# Altium PCB Core.PcbDoc (part 2 of 5) (continued)
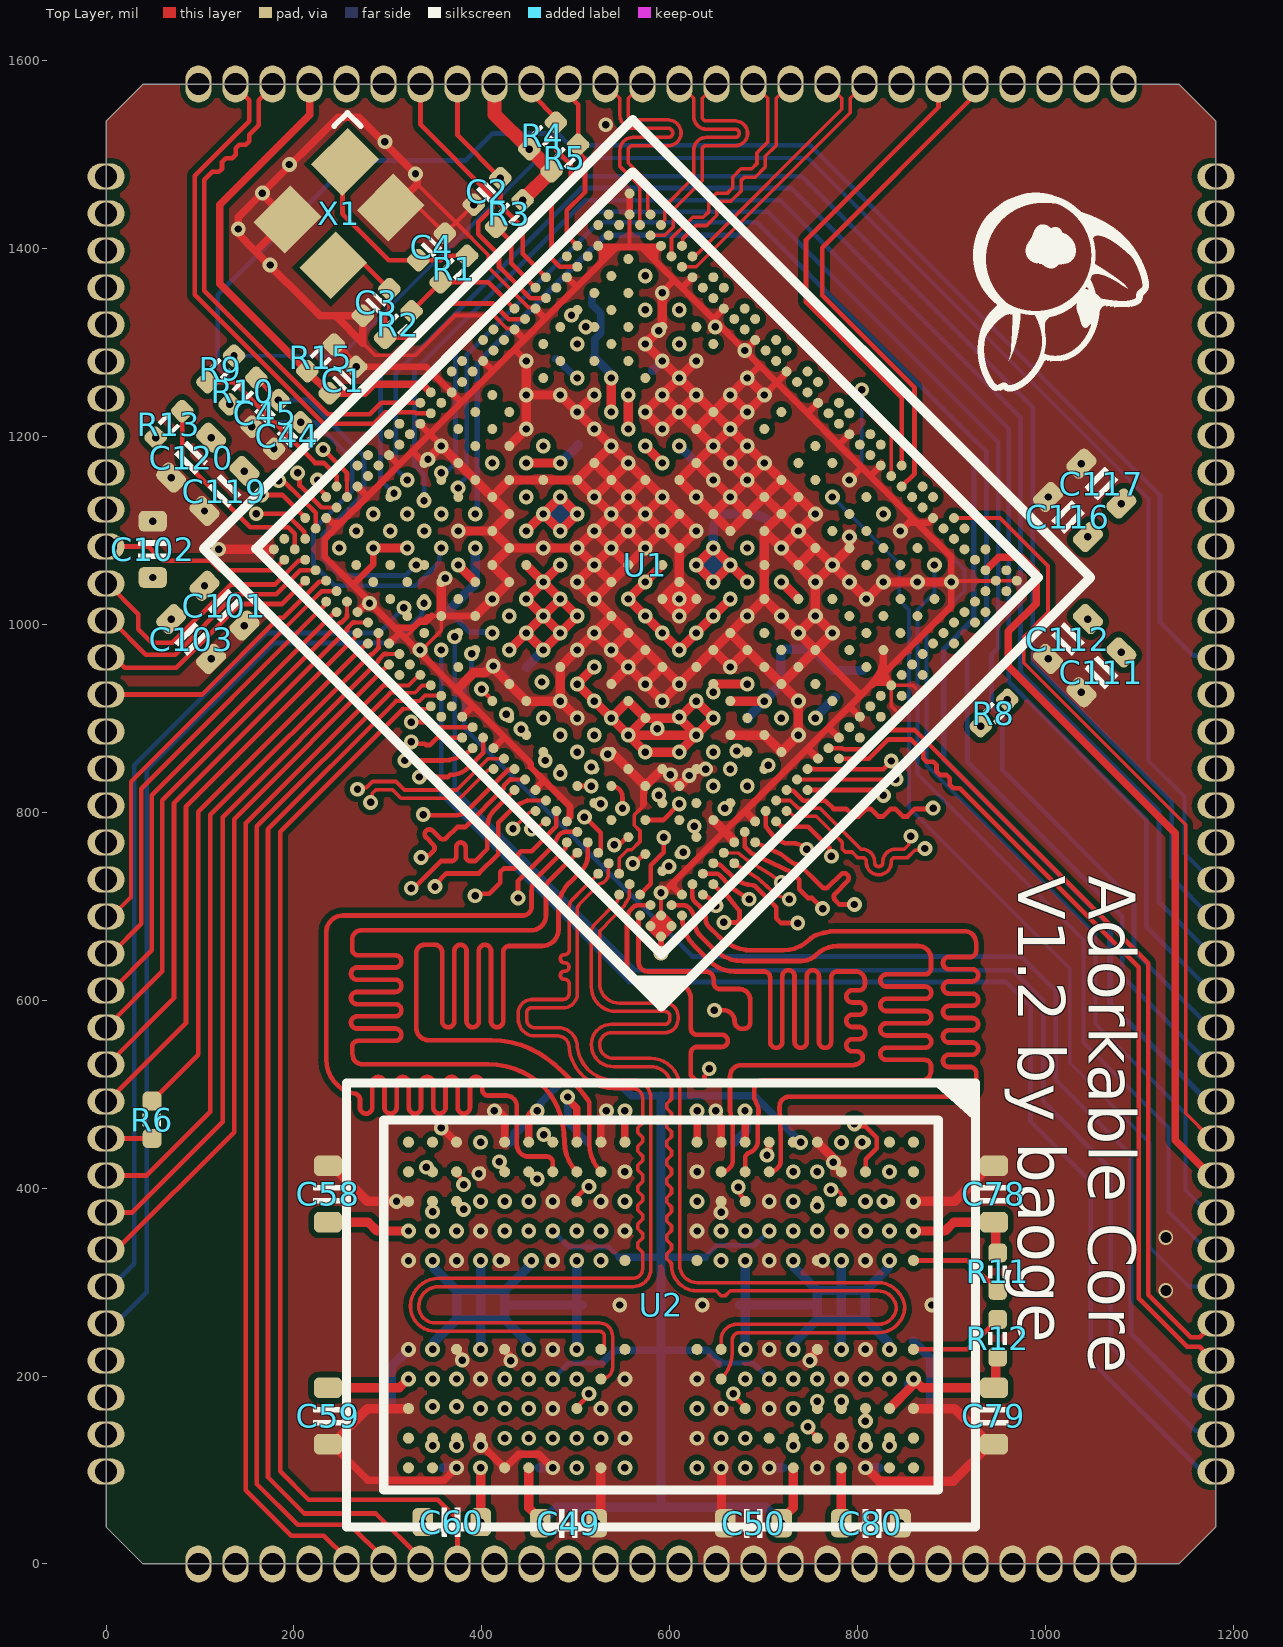
[diagram p0: Top Layer view]
## Nets (pads, with @x,y where several pads share a name; then routed paths per layer and width w, separated by ;. In a path a pad name is that pad's centre, name@x,y a point inside that pad or via, vN(x,y) a via of type N, cw(c..) or ccw(c..) an arc to the next point about the centre after c; other vN are vias at no path point) (continued)
  other v2: 1127.71,291.02 1127.71,347.37
HDMI_TX_CLK_N: pad.8 U1.AP32 | length 284
  Top Layer w3.8: U1.AP32@612.82,1380.35 627.98,1380.35 791.8,1544.18 791.8,1559.78 806.82,1574.8 pad.8@807.09,1574.8
HDMI_TX_CLK_P: pad.9 U1.AR32 | length 257.3
  Top Layer w3.8: U1.AR32@623.96,1391.49 625.81,1391.49 628.44,1394.12 629.3,1394.12 783,1547.82 783,1559.78 767.98,1574.8 pad.9@767.72,1574.8
HDMI_TX_D0_N: pad.10 U1.AR33 | length 240.1
  Top Layer w3.8: U1.AR33@612.82,1402.62 613.5,1403.3 613.5,1409.92 624.67,1421.09 627.83,1424.25 639.15,1424.25 649.96,1435.06 649.96,1446.38 653.6,1450.02 664.91,1450.02 675.73,1460.83 675.73,1472.15 679.37,1475.79 690.68,1475.79 701.5,1486.6 701.5,1497.92 713.06,1509.48 713.06,1520.62 713.06,1559.78 728.08,1574.8 pad.10@728.35,1574.8
HDMI_TX_D0_P: pad.11 U1.AP33 | length 252.2
  Top Layer w3.8: U1.AP33@601.69,1391.49 601.69,1410.55 618.44,1427.31 624.19,1433.05 635.5,1433.05 641.16,1438.71 641.16,1450.02 649.96,1458.82 661.27,1458.82 666.93,1464.48 666.93,1475.79 675.73,1484.59 687.04,1484.59 692.7,1490.25 692.7,1501.56 704.26,1513.13 704.26,1520.62 704.26,1559.78 689.24,1574.8 pad.11@688.98,1574.8
HDMI_TX_D1_N: pad.12 U1.AP35 | length 280.7
  Top Layer w3.8: U1.AP35@579.42,1413.76 594.57,1413.76 603.41,1422.6 603.41,1440.91 634.32,1471.82 634.32,1482.77 634.32,1504.8 cw(c638.72,1504.8) 638.72,1509.2 669.43,1509.2 ccw(c669.43,1522.4) 669.43,1535.6 638.72,1535.6 cw(c638.72,1540) 634.32,1540 634.32,1546.3 634.32,1559.78 649.34,1574.8 pad.12@649.61,1574.8
HDMI_TX_D1_P: pad.13 U1.AR35 | length 252.4
  Top Layer w3.8: U1.AR35@590.55,1424.89 590.55,1426.47 594.61,1430.53 594.61,1444.56 625.52,1475.47 625.52,1482.77 625.52,1504.8 cw(c638.72,1504.8) 638.72,1518 669.43,1518 ccw(c669.43,1522.4) 669.43,1526.8 638.72,1526.8 cw(c638.72,1540) 625.52,1540 625.52,1546.3 625.52,1559.78 610.5,1574.8 pad.13@610.24,1574.8
HDMI_TX_D2_N: pad.14 U1.AR36 | length 251.7
  Top Layer w3.8: pad.14@570.87,1574.8 570.6,1574.8 555.58,1559.78 555.58,1547.78 555.58,1541.48 ccw(c560.48,1541.48) 560.48,1536.58 598.16,1536.58 cw(c598.16,1522.88) 598.16,1509.18 560.48,1509.18 ccw(c560.48,1504.28) 555.58,1504.28 555.58,1490.89 559.91,1486.56 576.66,1469.81 576.66,1440.63 579.42,1437.88 U1.AR36@579.42,1436.03
HDMI_TX_D2_P: pad.15 U1.AP36 | length 261.9
  Top Layer w3.8: pad.15@531.5,1574.8 531.76,1574.8 546.78,1559.78 546.78,1547.78 546.78,1541.48 ccw(c560.48,1541.48) 560.48,1527.78 598.16,1527.78 cw(c598.16,1522.88) 598.16,1517.98 560.48,1517.98 ccw(c560.48,1504.28) 546.78,1504.28 546.78,1487.25 547.47,1486.56 567.86,1466.17 567.86,1425.31 U1.AP36@568.28,1424.89
HDMI_TX_HPDIN: C26.2 pad.4 U1.1V17 | length 466.3
  GND5 w10: v1(610.04,1334.42) 764.5,1488.88 899.44,1488.88 961.66,1551.1 961.66,1571.9 pad.4@964.57,1574.8
HDMITX_CEC_M0: pad.1 U1.1V5 | length 563.4
  GND5 w10: v1(827.18,1117.28) 827.18,1243.8 1082.68,1499.3 pad.1@1082.68,1574.8
HDMITX_SCL: pad.6 U1.AR12 | length 506.5
  Top Layer w5: U1.AR12@846.67,1168.78 846.67,1241.06 744.91,1342.82 744.91,1409.09 885.83,1550 pad.6@885.83,1574.8
HDMITX_SDA: pad.5 U1.AP11 | length 542
  Top Layer w5: U1.AP11@846.85,1146.68 860.33,1160.17 860.33,1251.53 762,1349.86 762,1400.54 925.2,1563.73 pad.5@925.2,1574.8
HOST_WAKE_BT_H: pad.38 U1.B36 | length 284.1
  Top Layer w5: pad.38@0,1043.31 1.8,1043.31 34.37,1010.74 34.37,994.58 48.66,980.29 70.67,980.29 132.62,1042.23 179.55,1042.23 204.8,1067.48 210.87,1067.48 U1.B36@211.94,1068.56
HW_ID: C45.2 R10.1 U1.1C17 | length 387.7
  Top Layer w5: R10.1@159.81,1262.17 v1(183.43,1238.55)
  Bottom Layer w5: v1(183.43,1238.55) 215.03,1238.55 274.4,1179.18 274.4,1138.8 230.72,1095.12 230.72,1069.78 248.59,1051.91 318.87,1051.91 v1(329.95,1062.99)
I2C0_SCL_PMIC: pad.17 R4.2 U1.AJ37 | length 242.6
  Top Layer w4.6: 487.85,1380.35 U1.AJ37@501.47,1380.35
  Top Layer w5: pad.17@452.76,1574.8 452.76,1564.34 478.71,1538.39 R4.2@478.71,1533.83 478.71,1505.05 494.59,1489.17 494.59,1467.92 474.05,1447.38 474.05,1389.11 482.81,1380.35 487.85,1380.35
I2C0_SDA_PMIC: pad.16 R5.2 U1.AK38 | length 192.1
  Top Layer w5: pad.16@492.13,1574.8 492.13,1562.79 502.33,1552.6 R5.2@502.33,1510.21 502.33,1502.63 509.65,1495.31 509.65,1459.9 490.33,1440.58 490.33,1413.76 U1.AK38@501.47,1402.62
I2S1_LRCK_TX_M0_PMIC: pad.68 U1.B24 | length 1120.6
  Top Layer w4: 302.42,926.75 302.62,926.95 328.57,926.95 336.37,934.75 345.39,934.75 U1.B24@345.57,934.93
  Top Layer w5: pad.68@295.28,0 295.28,5.91 259.58,41.6 203.96,41.6 160.49,85.07 160.49,785.03 302.21,926.75 302.42,926.75
I2S1_MCLK_M0_PMIC: pad.70 U1.A23 | length 1153.5
  Top Layer w4: 316.15,910.11 341.23,910.11 343.78,912.66 U1.A23@345.57,912.66
  Top Layer w5: 316.15,910.11 185.26,779.23 185.26,98.65 215.45,68.47 352.84,68.47 374.02,47.29 pad.70@374.02,0
I2S1_SCLK_TX_M0_PMIC: pad.69 U1.B23 | length 1137
  Top Layer w4: 308.62,918.29 333.49,918.29 339.32,924.11 356.38,924.11 U1.B23@356.71,923.79
  Top Layer w5: 308.62,918.29 172.26,781.92 172.26,92.53 211.09,53.7 286.85,53.7 334.65,5.91 pad.69@334.65,0
I2S1_SDI0_M0/PDM: pad.90 U1.1B14 | length 1430.6
  Bottom Layer w5: v1(370.87,986.69) 371.11,986.45 371.11,824 563.22,631.89 964.8,631.89 997.17,599.52 997.17,492.13 1069.1,420.19 1069.1,231.45 ; 1069.07,231.42 1158.9,141.59 1177.31,141.59 pad.90@1181.1,137.8
I2S1_SDO0_M0_PMIC: pad.67 U1.B25 | length 1104
  Top Layer w4: 295.18,934.75 321.72,934.75 333.04,946.07 U1.B25@334.43,946.07
  Top Layer w5: pad.67@255.91,0 255.91,5.91 231.71,30.1 197.04,30.1 148.82,78.32 148.82,788.39 295.18,934.75
I2S2_LRCK_TX_M0: pad.61 U1.1D19 | length 1185.2
  SIG3 w5: pad.61@0,137.8 8.09,137.8 49.47,179.18 49.47,940.02 242.79,1133.34 288.87,1133.34 304.93,1117.28 v1(320.52,1117.28)
I2S2_SCLK_TX_M0: pad.31 U1.C37 | length 349.3
  Top Layer w5: v1(159.81,1117.54) 191.5,1117.54 210.87,1098.17 210.87,1091.9 U1.C37@211.94,1090.83
  SIG3 w5: pad.31@0,1318.9 5.91,1318.9 31.9,1292.9 31.9,1243.42 73.01,1202.3 73.01,1184.92 140.39,1117.54 v1(159.81,1117.54)
I2S2_SDI_M0: pad.29 U1.D37 | length 394.4
  Top Layer w4.6: 222.94,1118.58 223.08,1118.44 U1.D37@223.08,1101.96
  Top Layer w5: v1(183.88,1152.67) 185.94,1150.61 190.91,1150.61 206.92,1134.6 222.94,1118.58
  SIG3 w5: pad.29@0,1397.64 5.91,1397.64 61.94,1341.6 61.94,1274.61 v1(183.88,1152.67)
I2S2_SDO_M0: pad.63 U1.1B20 | length 1204.3
  SIG3 w5: pad.63@98.42,0 98.42,11.89 71.89,38.42 71.89,896.93 226.84,1051.88 226.84,1083.05 242.98,1099.18 v1(266.23,1099.18)
LPDDR4_A0_A: U1.C2 U2.H2 | length 1122
  Top Layer w4.6: U1.C2@601.69,701.08 614.83,701.08
  Top Layer w5: 614.83,701.08 cw(c612.82,689.95) 620.5,698.26 cw(c612.82,689.95) 621.75,696.9 622.11,696.44 cw(c606.58,684.34) 626.27,684.34 626.27,683.4 ccw(c647.89,683.4) 632.59,668.12 646.23,654.48 ccw(c677.5,685.75) 677.5,641.53 739.57,641.53 ccw(c739.57,664.52) 755.82,648.26 cw(c778.09,625.99) 778.09,657.49 864.66,657.49 cw(c864.68,644.27) 876.88,649.38 cw(c864.68,644.27) 877.64,646.88 877.91,644.27 877.91,633.88 cw(c871.41,633.88) 871.41,627.38 830.42,627.38 ccw(c830.42,620.88) 830.42,614.38 871.7,614.38 cw(c871.7,607.88) 871.7,601.38 830.42,601.38 ccw(c830.42,594.88) 830.42,588.38 871.7,588.38 cw(c871.7,581.88) 871.7,575.38 830.42,575.38 ccw(c830.42,568.88) 830.42,562.38 871.7,562.38 cw(c871.7,555.88) 871.7,549.38 830.42,549.38 ccw(c830.42,542.88) 830.42,536.38 871.41,536.38 cw(c871.41,529.88) 877.91,529.88 877.91,524.13 876.62,519.37 cw(c868.48,524.13) 874.5,516.87 cw(c868.48,524.13) 868.48,514.71 699.07,514.71 ccw(c699.07,505.51) 689.87,505.51 689.87,495.77 693.26,487.6 cw(c679.95,482.09) 694.29,480.75 693.57,473.02 693.57,450.3 cw(c680.12,450.3) 685.71,438.07 683.05,436.85 680.12,433.92 680.12,432.54 U2.H2@680.12,417.32
LPDDR4_A0_B: U1.A9 U2.R2 | length 1120.8
  Top Layer w5: U2.R2@500.98,417.32 cw(c532.78,449.12) 487.81,449.13 ccw(c392.94,449.14) 480.6,485.43 ccw(c418.45,459.7) 466.67,506.6 ccw(c406.38,446.75) 406.37,531.7 273.02,531.7 cw(c273.02,542.88) 265.41,534.69 cw(c273.02,542.88) 263.4,537.19 261.84,542.88 261.84,550.19 cw(c268.34,550.19) 268.34,556.69 307.8,556.69 ccw(c307.8,563.19) 307.8,569.69 267.15,569.69 cw(c267.15,576.19) 267.15,582.69 307.8,582.69 ccw(c307.8,589.19) 307.8,595.69 267.15,595.69 cw(c267.15,602.19) 267.15,608.69 307.8,608.69 ccw(c307.8,615.19) 307.8,621.69 267.15,621.69 cw(c267.15,628.19) 267.15,634.69 307.8,634.69 ccw(c307.8,641.19) 307.8,647.69 268.34,647.69 cw(c268.34,654.19) 261.84,654.19 261.84,664.51 262.04,666.49 cw(c271.62,664.51) 262.93,668.99 cw(c271.62,664.51) 271.62,674.29 452.4,674.29 ccw(c452.4,689.95) 468.06,689.95 468.06,720.29 cw(c475.46,720.29) 470.23,725.52 U1.A9@501.47,756.76
LPDDR4_A1_A: U1.C1 U2.J2 | length 1120.4
  Top Layer w5: U1.C1@612.82,689.95 ccw(c658.72,689.95) 626.27,657.49 630.78,652.97 642.22,641.53 ccw(c668.97,668.29) 668.97,630.46 684.65,630.46 700.15,630.46 cw(c700.15,623.96) 706.65,623.96 706.65,555.65 ccw(c713.15,555.65) 719.65,555.65 719.65,625.38 cw(c726.15,625.38) 732.65,625.38 732.65,555.65 ccw(c739.15,555.65) 745.65,555.65 745.65,625.38 cw(c752.15,625.38) 758.65,625.38 758.65,555.65 ccw(c765.15,555.65) 771.65,555.65 771.65,623.96 cw(c778.15,623.96) 778.15,630.46 792.86,630.46 797.35,630.46 cw(c797.73,620.6) 805.68,626.43 cw(c797.73,620.6) 807.01,623.93 807.59,620.6 807.59,616.97 cw(c801.09,616.97) 801.09,610.47 794.16,610.47 ccw(c794.16,603.97) 794.16,597.47 801.44,597.47 cw(c801.44,590.97) 801.44,584.47 794.16,584.47 ccw(c794.16,577.97) 794.16,571.47 801.44,571.47 cw(c801.44,564.97) 801.44,558.47 794.16,558.47 ccw(c794.16,551.97) 794.16,545.47 798.76,545.47 cw(c798.76,538.97) 804.88,536.78 804.5,535.72 cw(c794.04,544.33) 801.79,533.22 cw(c794.04,544.33) 794.04,530.78 675.93,530.78 ccw(c675.93,518.89) 664.04,518.89 664.04,481.87 666.88,465.6 ; U2.J2@654.53,417.32 ccw(c654.53,429.68) 666.89,429.68 666.89,465.58
LPDDR4_A1_B: U1.B9 U2.P2 | length 1133.2
  Top Layer w4.6: 512.6,753.97 U1.B9@512.6,767.9
  Top Layer w5: 505.84,737.69 492.71,724.56 ccw(c519.86,697.42) 481.47,697.42 481.47,675.24 cw(c463.86,675.24) 463.86,657.64 429.13,657.64 ccw(c429.13,651.14) 422.63,651.14 422.63,577.64 cw(c416.13,577.64) 409.63,577.64 409.63,652.35 ccw(c403.13,652.35) 396.63,652.35 396.63,577.64 cw(c390.13,577.64) 383.63,577.64 383.63,652.35 ccw(c377.13,652.35) 370.63,652.35 370.63,577.64 cw(c364.13,577.64) 357.63,577.64 357.63,651.14 ccw(c349.99,651.14) 350.26,658.77 338.48,658.77 ccw(c338.48,650.41) 330.12,650.41 330.12,643.3 330.12,570.42 ccw(c343.11,570.42) 343.11,557.43 410.26,557.43 cw(c410.26,459.54) 468.29,538.37 468.65,538.11 cw(c355.3,381.64) 513.26,492.9 514.16,491.62 514.16,490.05 514.16,447.3 ccw(c556.55,447.3) U2.P2@526.57,417.32 ; 505.87,737.72 ccw(c489.62,753.97) 512.6,753.97
LPDDR4_A2_A: U1.1C1 U2.H9 | length 1077.9
  Top Layer w5: v1(625.96,785) 627.06,783.9 627.06,774.54 U1.1C1@628.14,773.47
  GND5 w5: v1(625.96,785) 768.84,785 859.26,694.58 861.03,692.81 870.22,683.62 cw(c865.62,679.02) 870.22,674.43 858.64,662.85 ccw(c863.23,658.25) 858.64,653.65 ccw(c863.24,658.25) 867.83,653.65 879.41,665.24 cw(c884.01,660.64) 888.6,665.24 899.23,654.61 901,652.84 918.82,635.02 918.82,292.98 873.86,248.02 679.42,248.02 665.71,234.31 665.71,211.26 v1(680.12,196.85)
LPDDR4_A2_B: U1.1B7 U2.R9 | length 1080.4
  GND5 w5: v1(500.98,196.85) 515.39,211.26 515.39,234.31 501.72,247.98 311.82,247.98 254.24,305.56 254.24,691.2 254.24,692.56 264.53,702.84 cw(c269.12,698.25) 273.72,702.84 281.4,695.16 ccw(c286,699.75) 290.6,695.16 ccw(c286,699.75) 290.6,704.35 282.91,712.04 cw(c287.51,716.63) 282.91,721.23 297.8,736.12 431.11,869.43 475.61,869.43 481.1,863.94 v1(501.47,863.94)
LPDDR4_A3_A: U1.1B3 U2.H10 | length 1075.4
  Top Layer w5: U1.1B3@573.85,791.56 592.82,791.56 v1(610.04,808.78) ; v1(667.32,181.1) 667.32,179.63 680.12,166.83 U2.H10@680.12,165.35
  GND5 w5: v1(610.04,808.78) 610.04,780.55 619.99,770.59 631.93,770.59 654.78,770.59 661.03,764.35 715.94,764.35 776.9,703.39 776.9,688.95 904.3,561.54 904.3,323.56 846.58,265.84 675.56,265.84 654.53,244.81 654.53,193.9 v1(667.32,181.1)
LPDDR4_A3_B: U1.1B6 U2.R10 | length 1076.2
  Top Layer w5: U2.R10@500.98,165.35 500.98,166.83 513.78,179.63 v1(513.78,181.1)
  GND5 w5: v1(513.78,181.1) 513.78,182.62 524.94,193.79 524.94,243.76 503.68,265.02 318.53,265.02 267.97,315.57 267.97,611.15 288.56,631.73 290.32,633.5 ccw(c285.73,638.1) 290.32,642.69 289.58,643.44 cw(c294.17,648.04) 289.58,652.63 cw(c294.17,648.04) 298.77,652.63 302.28,649.12 ccw(c306.88,653.71) 311.48,649.12 ccw(c306.88,653.71) 311.48,658.31 307.96,661.82 cw(c312.56,666.42) 307.96,671.02 cw(c312.56,666.42) 317.16,671.02 317.9,670.27 ccw(c322.5,674.87) 327.09,670.27 334.88,678.05 396.98,740.15 396.98,769.75 453.74,826.52 491.97,826.52 513.48,848.03 v1(516.39,848.03)
LPDDR4_A4_A: U1.1B1 U2.H11 | length 1071.5
  GND5 w5: v1(614.11,757.44) 655.91,757.44 712.66,700.69 712.66,682.26 742.08,652.84 743.85,651.08 ccw(c748.44,655.67) 753.04,651.08 755.45,653.48 cw(c760.04,648.89) 764.64,653.48 cw(c760.04,648.89) 764.64,644.29 761.26,640.92 ccw(c765.86,636.32) 761.26,631.72 ccw(c765.86,636.32) 770.45,631.72 773.83,635.1 cw(c778.43,630.5) 783.02,635.1 cw(c778.43,630.5) 783.02,625.91 780.62,623.5 ccw(c785.21,618.9) 780.62,614.31 787.1,607.82 788.87,606.05 890.51,504.41 890.51,333.08 841.6,284.16 674.45,284.16 614.53,224.25 614.53,159.39 622.97,150.95 663.03,150.95 v1(680.12,133.86)
LPDDR4_A4_B: U1.1A6 U2.R11 | length 1090
  Top Layer w5: U1.1A6@501.47,827.75 v1(516.39,827.75)
  GND5 w5: v1(500.98,133.86) 515.39,148.26 555.45,148.26 566.57,159.39 566.57,231.37 513.8,284.14 318.07,284.14 280.88,321.34 280.88,573.68 441.68,734.48 441.68,750.5 516.39,825.22 v1(516.39,827.75)
LPDDR4_A5_A: U1.1A1 U2.J11 | length 1065.9
  GND5 w5: v1(598.9,742.24) 628.35,742.24 876.3,494.28 876.3,451.45 876.3,435.95 cw(c869.8,435.95) 869.8,429.45 862.8,429.45 ccw(c862.8,422.95) 862.8,416.45 869.8,416.45 cw(c869.8,409.95) 876.3,409.95 876.3,398.13 876.3,340.22 838.42,302.33 633.33,302.33 599.39,268.39 599.39,143.04 622.97,119.45 640.12,119.45 v1(654.53,133.86)
LPDDR4_A5_B: U1.B8 U2.P11 | length 1105.7
  Top Layer w5: v1(509.07,794.7) 509.76,794.7 526.28,778.18 526.28,760.82 523.74,758.28 U1.B8@523.74,756.76
  GND5 w5: v1(509.07,794.7) 472.03,757.66 472.03,711.37 294.67,534.02 294.67,329.64 321.98,302.33 544.36,302.33 580.13,266.56 580.13,141.45 558.13,119.45 540.98,119.45 v1(526.57,133.86)
LPDDR4_CKE0_A: U1.B4 U2.J4 | length 1065.8
  Top Layer w5: U1.B4@568.28,712.22 576.15,720.08 576.15,720.19 579.69,723.73 579.69,743.4 593.54,757.24 v1(593.54,773.11)
  GND5 w5: v1(593.54,773.11) 593.54,757.24 584.5,748.2 584.5,730.48 576.15,722.13 576.15,706.49 585.22,697.42 588.67,697.42 cw(c588.67,690.92) 595.17,690.92 595.17,682.01 ccw(c601.67,682.01) 608.17,682.01 608.17,727.37 611.29,730.48 620.1,730.48 623.03,727.55 623.03,694.47 625.21,692.29 632.05,685.45 cw(c627.45,680.86) 632.05,676.26 624.21,668.43 ccw(c628.81,663.83) 624.21,659.23 ccw(c628.81,663.83) 633.41,659.23 641.24,667.07 cw(c645.84,662.47) 650.43,667.07 661.83,655.67 699.18,655.67 704.82,650.04 704.82,635.1 698.25,628.53 664.41,628.53 625.21,589.33 625.21,514.03 641,498.24 642.32,498.24 654.26,498.24 ccw(c654.26,504.74) 660.76,504.74 660.76,550.97 cw(c667.26,550.97) 673.76,550.97 673.76,504.74 ccw(c680.26,504.74) 680.26,498.24 693.63,498.24 695.76,496.12 699.5,492.37 699.5,472.41 692.73,465.65 652.1,465.65 614.53,428.08 614.53,348.36 622.97,339.92 640.12,339.92 v1(654.53,354.33)
LPDDR4_CKE0_B: U1.1A3 U2.P4 | length 1073.2
  Top Layer w5: v1(540.68,765.19) 542.74,767.25 548.01,767.25 554.23,773.47 U1.1A3@555.76,773.47
  GND5 w5: v1(526.57,354.33) 540.98,339.92 558.13,339.92 578.17,359.96 578.17,422.15 563.37,436.95 532.5,436.95 507.68,461.77 507.68,480.39 507.68,509.83 cw(c514.18,509.83) 514.18,516.33 523.31,516.33 ccw(c523.31,522.83) 523.31,529.33 484.33,529.33 cw(c484.33,535.83) 484.33,542.33 523.31,542.33 ccw(c523.31,548.83) 523.31,555.33 484.33,555.33 cw(c484.33,561.83) 484.33,568.33 523.31,568.33 ccw(c523.31,574.83) 523.31,581.33 514.18,581.33 cw(c514.18,587.83) 507.68,587.83 507.68,590.33 507.68,591.52 ccw(c501.18,591.52) 507.27,593.81 ccw(c501.18,591.52) 501.18,598.02 432.55,598.02 cw(c432.55,604.52) 432.55,611.02 501.81,611.02 ccw(c501.81,617.52) 501.81,624.02 458.55,624.02 cw(c458.55,630.52) 458.55,637.02 501.81,637.02 ccw(c501.81,643.52) 501.81,650.02 484.55,650.02 cw(c484.55,656.52) 484.55,663.02 501.18,663.02 ccw(c501.18,669.52) 507.68,669.52 507.68,682.39 519.56,694.27 519.56,746.02 538.74,765.19 v1(540.68,765.19)
LPDDR4_CKE1_A: U1.1C3 U2.J5 | length 1056.4
  GND5 w5: v1(588.12,818.12) 554.07,852.17 545.54,852.17 539.43,846.06 539.43,839.01 574.92,803.52 574.92,789.26 cw(c568.42,789.26) 568.42,782.76 567.08,782.76 ccw(c567.08,776.26) 567.08,769.76 568.42,769.76 cw(c568.42,763.26) 574.92,763.26 574.92,760.76 574.92,738.32 549,712.4 549,699.74 549,687.26 550.15,686.11 ccw(c554.75,690.7) 559.34,686.11 563.55,690.31 cw(c568.14,685.71) 572.74,690.31 cw(c568.14,685.71) 572.74,681.12 568.53,676.92 ccw(c573.13,672.32) 568.53,667.72 572.09,664.17 582.3,664.17 601.31,664.17 611.29,654.19 611.29,651.69 ccw(c617.79,651.69) 617.79,645.19 641.53,645.19 cw(c641.53,638.69) 641.53,632.19 607.13,632.19 ccw(c607.13,625.69) 607.13,619.19 623.55,619.19 cw(c623.55,612.69) 623.55,606.19 606.35,606.19 ccw(c606.35,599.69) 606.35,593.19 608.82,593.19 cw(c608.82,586.69) 608.82,580.19 599.92,580.19 ccw(c599.92,573.69) 599.92,567.19 608.06,567.19 cw(c608.06,560.69) 608.06,554.19 599.6,554.19 ccw(c599.6,547.69) 599.6,541.19 608.19,541.19 cw(c608.19,534.69) 608.19,528.19 599.75,528.19 ccw(c599.75,521.69) 599.75,515.19 608.41,515.19 cw(c608.41,508.69) 608.41,502.19 599.81,502.19 ccw(c599.81,495.69) 599.81,489.19 608.03,489.19 cw(c608.03,482.69) 608.03,476.19 600.25,476.19 ccw(c600.25,469.69) 600.25,463.19 618.12,463.19 cw(c618.12,456.69) 618.12,450.19 608.82,450.19 ccw(c608.82,443.69) 602.32,443.69 602.32,344.74 624.22,322.83 v1(654.53,322.83)
LPDDR4_CKE1_B: U1.1A2 U2.P5 | length 1074.4
  Top Layer w5: v1(560.52,745.34) 562.29,745.34 572.33,755.37 U1.1A2@573.85,755.37
  GND5 w5: v1(526.57,322.83) 564.35,322.83 589.11,347.6 589.11,444.03 ccw(c582.61,444.03) 582.61,450.53 549.69,450.53 cw(c549.69,457.03) 549.69,463.53 577,463.53 ccw(c577,470.03) 577,476.53 573.07,476.53 cw(c573.07,483.03) 573.07,489.53 576.4,489.53 ccw(c576.4,496.03) 576.4,502.53 548.46,502.53 cw(c548.46,509.03) 548.46,515.53 575.18,515.53 ccw(c575.18,522.03) 575.18,528.53 549.03,528.53 cw(c549.03,535.03) 549.03,541.53 574.92,541.53 ccw(c574.92,548.03) 574.92,554.53 548.46,554.53 cw(c548.46,561.03) 548.46,567.53 575.02,567.53 ccw(c575.02,574.03) 575.02,580.53 549,580.53 cw(c549,587.03) 549,593.53 576.91,593.53 ccw(c576.91,600.03) 576.91,606.53 529.4,606.53 cw(c529.4,613.03) 529.4,619.53 576.37,619.53 ccw(c576.37,626.03) 576.37,632.53 529.7,632.53 cw(c529.7,639.03) 529.7,645.53 552.04,645.53 ccw(c552.04,652.03) 556.64,656.63 533.99,679.27 533.99,722.47 544.4,732.88 548.06,732.88 v1(560.52,745.34)
LPDDR4_CLK_A_N: U1.B5 U2.J9 | length 1134.9
  Top Layer w3.8: U1.B5@557.14,723.35 556.72,711.82 cw(c546.01,712.22) 553.75,704.81 ccw(c556.51,702.2) 552.91,703.42 cw(c540.98,707.47) 549.98,698.65 526.28,674.47 ccw(c528.99,671.81) 525.19,671.81 525.19,616.3 ccw(c528.99,616.3) 525.35,615.23 ccw(c546.24,617.78) 546.24,596.73 594.87,596.73 cw(c594.87,582.93) 608.68,582.93 608.68,579.63 cw(c594.42,579.63) 594.42,565.37 538.01,565.37 ccw(c538.01,552.55) 525.2,552.99 ccw(c539.82,552.63) 540.07,538.01 579.69,538.01 cw(c579.69,507.21) 610.49,507.21 610.49,317.87 ccw(c628.94,317.87) 628.94,299.42 821.28,299.42 cw(c821.28,270.75) 849.69,274.52 cw(c837.2,272.89) 849.65,270.98 849.34,268.89 cw(c836.88,270.76) 849.29,268.62 ccw(c853.04,268) 849.24,268.08 849.24,267.89 cw(c822,274.18) 821.9,246.23 674.84,246.23 ccw(c674.84,237.57) 666.18,237.57 666.18,224.99 cw(c626.39,224.99) U2.J9@654.53,196.85
LPDDR4_CLK_A_P: U1.A5 U2.J8 | length 1134.8
  Top Layer w3.8: U1.A5@546.01,712.22 544.68,706.6 cw(c540.98,707.47) 543.7,704.81 519.99,680.64 ccw(c528.99,671.81) 516.39,671.81 516.39,614.13 ccw(c542.6,614.13) 542.6,587.93 594.87,587.93 cw(c594.87,582.93) 599.88,582.93 599.88,579.63 cw(c594.42,579.63) 594.42,574.17 537.57,574.17 ccw(c537.57,552.99) 516.39,552.99 ccw(c539.79,552.6) 540.18,529.21 579.69,529.21 cw(c579.69,507.21) 582.57,529.02 cw(c579.69,507.21) 601.69,507.21 601.69,494.77 596.69,489.77 596.69,484.77 601.69,479.77 601.69,474.77 596.69,469.77 596.69,464.77 601.69,459.77 601.69,454.77 596.69,449.77 596.69,444.77 601.69,439.77 601.69,434.77 596.69,429.77 596.69,424.77 601.69,419.77 601.69,414.77 596.69,409.77 596.69,404.77 601.69,399.77 601.69,394.77 596.69,389.77 596.69,384.77 601.69,379.77 601.69,374.77 596.69,369.77 596.69,364.77 601.69,359.77 601.69,354.77 596.69,349.77 596.69,344.77 601.69,339.77 601.69,334.77 596.69,329.77 596.69,324.77 601.69,319.77 601.69,317.87 ccw(c628.94,317.87) 628.94,290.62 649.22,290.62 654.22,285.62 659.22,285.62 664.22,290.62 666.12,290.62 821.28,290.62 cw(c821.28,270.75) 840.96,273.38 cw(c837.2,272.89) 840.95,272.33 840.63,270.19 cw(c836.88,270.76) 840.62,270.11 ; U2.J8@654.53,228.35 654.53,238.47 cw(c671.08,238.47) 671.08,255.03 822.08,255.03 ccw(c821.99,274.08) 840.58,269.89 840.59,269.95 ccw(c836.88,270.76) 840.61,270.08
LPDDR4_CLK_B_N: U1.B7 U2.P9 | length 1135.8
  Top Layer w3.8: 501.51,628.4 501.51,632.04 ; 504.59,702.89 ccw(c512.02,695.47) 501.51,695.47 501.51,690.97 501.51,657.67 501.51,632.04 ; 504.59,702.9 525.47,723.78 527.11,724.32 ccw(c523.74,734.49) 534.44,734.07 534.85,744.45 ccw(c504.83,745.63) U1.B7@534.87,745.63 ; U2.P9@526.57,196.85 ccw(c526.57,209.32) 539.05,209.32 539.05,242.33 ccw(c524.92,242.33) 524.92,256.45 350.33,256.45 cw(c350.33,274.03) 332.75,274.03 cw(c353.83,274.03) 353.83,295.11 560.85,295.11 ccw(c560.85,313.95) 579.69,313.95 579.69,495.86 ccw(c560.85,495.86) 560.85,514.71 540.89,514.71 540.74,514.71 cw(c540.74,554.21) 501.54,549.4 cw(c505.31,549.83) 501.51,549.81 501.51,550.14 ccw(c481,550.14) 481,570.66 456.44,570.66 cw(c456.44,579.63) 447.47,579.63 447.47,586.11 cw(c453.22,586.11) 453.22,591.86 486.51,591.86 ccw(c486.51,606.86) 501.51,606.86 501.51,632.04
LPDDR4_CLK_B_P: U1.A7 U2.P8 | length 1134.3
  Top Layer w3.8: U1.A7@523.74,734.49 502.82,713.57 500.6,711.34 495.79,706.54 ccw(c503.22,699.11) 492.71,699.11 492.71,690.97 492.71,652.85 cw(c488.31,652.85) 488.31,648.45 487.82,648.45 ccw(c487.82,644.05) 487.82,639.65 488.31,639.65 cw(c488.31,635.25) 488.31,630.85 487.82,630.85 ccw(c487.82,626.45) 487.82,622.05 488.31,622.05 cw(c488.31,617.65) 492.71,617.65 492.71,615.75 492.71,606.86 cw(c486.51,606.86) 486.51,600.66 453.22,600.66 ccw(c453.22,586.11) 438.67,586.11 438.67,579.63 ccw(c456.44,579.63) 456.44,561.86 480.63,561.86 cw(c480.63,549.77) 492.71,550.14 ; U2.P8@526.57,228.35 ccw(c526.57,232.02) 530.25,232.02 530.25,242.33 ccw(c524.92,242.33) 524.92,247.65 350.33,247.65 cw(c350.33,274.03) 323.95,274.03 cw(c353.83,274.03) 353.83,303.91 560.85,303.91 ccw(c560.85,313.95) 570.89,313.95 570.89,329.77 570.89,331.67 565.89,336.67 565.89,341.67 570.89,346.67 570.89,351.67 565.89,356.67 565.89,361.67 570.89,366.67 570.89,371.67 565.89,376.67 565.89,381.67 570.89,386.67 570.89,391.67 565.89,396.67 565.89,401.67 570.89,406.67 570.89,414.17 565.89,419.17 565.89,424.17 570.89,429.17 570.89,434.17 565.89,439.17 565.89,444.17 570.89,449.17 570.89,454.17 565.89,459.17 565.89,464.17 570.89,469.17 570.89,479.2 570.89,495.86 ccw(c560.85,495.86) 560.85,505.91 540.89,505.91 540.75,505.91 cw(c540.74,554.21) 492.8,548.39 cw(c497.17,548.91) 492.79,548.46 cw(c505.31,549.83) 492.71,549.77 ; 492.71,549.77 ccw(c480.63,549.77) 492.71,550.14 ; 492.71,549.77 492.71,550.14
LPDDR4_CS0N_A: U1.B3 U2.H4 | length 1070.5
  Top Layer w4.6: 566.27,701.08 U1.B3@579.42,701.08
  Top Layer w5: 566.27,701.08 ccw(c568.28,689.95) 565.42,700.89 564.62,700.69 ccw(c568.08,687.48) 562.07,699.74 556.97,694.63 554.42,687.48 554.42,633.33 ccw(c568.28,633.33) 568.28,619.47 603.6,619.47 cw(c603.6,600.74) 622.34,600.74 622.34,569.64 ccw(c628.84,569.64) 628.84,563.14 655.12,563.14 cw(c655.12,556.64) 655.12,550.14 628.84,550.14 ccw(c628.84,543.64) 622.34,543.64 622.34,520.17 629.77,512.74 633.91,512.74 636.84,515.67 636.84,518.94 641.95,524.06 v1(641.95,526.96)
  GND5 w5: v1(641.95,526.96) 641.95,554.35 661.29,573.69 684.1,573.69 cw(c684.1,567.19) 690.6,567.19 690.6,516.12 ccw(c697.1,516.12) 703.6,516.12 703.6,568.6 cw(c710.1,568.6) 716.6,568.6 716.6,516.12 ccw(c723.1,516.12) 729.6,516.12 729.6,562.57 cw(c736.1,562.57) 740.7,567.17 746.61,561.25 746.61,497.52 746.61,493.16 740.13,486.68 cw(c735.53,491.27) 730.93,486.68 723.54,494.07 ccw(c718.94,489.48) 714.34,494.07 ccw(c718.94,489.48) 714.34,484.88 721.74,477.48 cw(c717.14,472.89) 721.74,468.29 706.2,452.75 700.1,452.75 699.07,451.72 680.19,432.83 cw(c675.59,437.43) 670.99,432.83 659.57,444.25 ccw(c654.98,439.66) 650.38,444.25 ccw(c654.98,439.66) 650.38,435.06 661.8,423.64 cw(c657.21,419.04) 661.8,414.45 654.53,407.17 654.53,396.17 668.93,381.76 668.93,365.52 v1(680.12,354.33)